# KiCad board Partial_Drawer_Controller_v1_hotfix.kicad_pcb (continued)
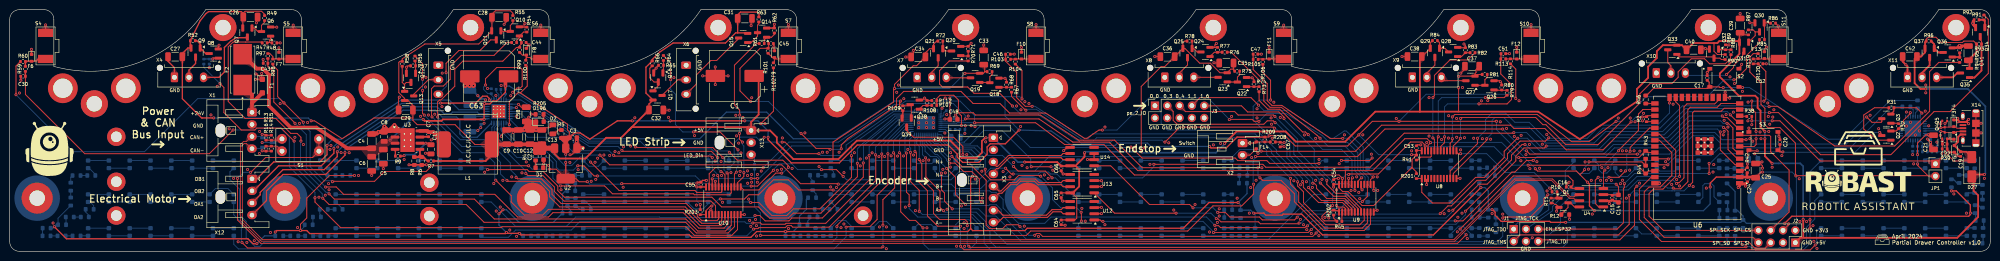
[diagram p0: board, top side]
## Routing (per net, layer and track width the routed paths; a pad name or vN(x,y) marks a point on that pad's centre or on a via; arc(x,y) is an arc through that point)
+3V3: length 803.7
  Top w0.18: R41.1 290.3,20.86 C53.1 291.33,20.87 U8.24 ; R41.1 289.4,19.01 289.4,17.4 289.2,17.2 ; R41.1 290.21,20 v1(289.3,20) ; 324.05,15.85 323.3,16.6 315.32,16.6 v1(314.83,17.09) ; 324.05,15.85 v1(325.6,14.3) ; 324.05,15.85 325,16.8 v1(325,16.9) ; JP1.2 395.94,15.56 395.85,15.65 ; 105.39,32.79 106.8,34.2 106.8,38.19 R100.1 106.5,38.49 ; 105.39,32.79 105.8,32.5 115.1,26.3 115.1,25.1 115.5,24.7 C3.1 ; 105.39,32.79 104.88,32.79 103.1,31.02 v1(103.1,26.2) ; R43.1 R44.1 336.82,18.5 v1(325.9,18.5) ; v1(66.6,14.4) 66.69,14.49 75.29,14.49 77.31,16.51 85.91,16.51 87.1,17.7 v1(107.1,17.7) ; v1(142.5,9.7) R203.1 ; v1(393.7,20) 393.7,22.4 395.41,24.11 v1(395.91,24.11) ; v1(331.5,13.89) 332,13.39 C14.1 330.8,11.67 C15.2 330.55,11.73 U4.3 ; 1.3,32.6 v1(1.3,32.4) 1.3,38.34 R60.1 ; v1(111.4,17) 112.78,17 U2.2 116.87,15.03 117.5,14.4 v1(119.2,14.4) ; R114.1 310.8,37.7 v1(310.8,31.6) ; 194.05,27.1 193.76,27.39 v1(192.99,27.39) ; C48.1 194.03,31.69 v1(194,31.71) 193.99,31.7 ; v1(393.7,18.1) 393.7,17.8 395.85,15.65 ; R120.1 359.8,40.9 359.1,40.2 359.1,37.1 361.4,34.8 361.4,30.4 362.2,29.6 362.2,26.2 362.8,25.6 365.3,25.6 368.5,22.4 368.5,15.7 v1(368.6,15.6) 368.65,15.65 395.85,15.65 ; v1(260.2,31.3) 260.2,35.4 258.6,37 R106.1 ; 142.5,13.22 C55.1 v1(141.8,13.32) 141.59,13.53 141.56,13.53 141.09,14 v1(126.3,14) ; 289.2,17.2 289.35,17.35 290.29,16.41 R201.1 ; 289.2,17.2 281.5,9.5 279.07,9.5 276.19,12.38 275.06,12.38 274.32,13.11 U9.24 274.31,13.86 C54.1 273.2,13.85 v1(273.2,13.3) ; v1(273,9.49) 270.8,7.29 270.8,6.81 271.3,6.31 273.78,6.31 R45.1 273.21,6.88 R202.1 ; 299,26.9 v1(286.7,26.9) 281.2,26.9 v1(278.4,24.1) 276.1,21.8 265.3,21.8 263.1,24 260,24 v1(259.9,23.9) 259.9,23.8 259.75,23.65 R209.1 ; R98.1 54.3,38.5 55.3,37.5 55.3,32 v1(56.6,30.7) ; v1(56.6,30.7) 56.3,31 ; v1(56.6,30.7) v1(60.6,26.7) ; R104.1 208.9,37.38 v1(208.9,31.52) ; v1(306.81,26.91) 306.79,26.9 298.8,26.9 ; v1(155,26.4) 157.6,29 R102.1 ; 360.2,15.23 361.38,16.4 v1(361.7,16.4)
  Top w0.25: v1(247.6,21.7) 247.9,21.4 251.05,21.4 253.3,23.65 R209.1 ; v1(114.75,18.39) U2.2 ; v1(114.75,20.08) U2.2 ; v1(128.5,27) 125.4,27 119.7,23.2 117.7,24.5 116.5,24.5 C3.1 ; v1(325.6,14.3) 326,13.9 326,9.4 v1(327,8.4) ; U10.24 143.69,13.32 C55.1 ; v1(156.5,23.6) 156.5,23.1 161.3,18.3 171.2,18.3 174.9,22 193.65,22 195.53,20.12 195.53,19.51 196.64,18.4 200,18.4 201.7,20.1 201.7,21.6 202.35,22.25 205.45,22.25 v1(208.3,25.1) ; U6.2 352.16,15.36 350.91,14.11 v1(350.91,13.3) ; v1(136.3,27) v1(151.7,27)
  Top w0.5: C21.1 396,24.02 v1(395.91,24.11) ; 360.2,15.23 360.06,15.36 U6.2 ; C24.1 358.5,15.45 358.5,16.19
  Top w0.75: 114.75,22.57 R5.1 113.92,23.52 C3.1 114.75,22.77 U2.2 114.75,22.57
  Bottom w0.18: 395.7,24.1 395.5,24.3 395.5,24.4 U5.6 ; 395.7,24.1 395.71,24.11 v1(395.91,24.11) C18.1 ; 395.7,24.1 395.6,24.1 ; 395.7,24.1 395.5,23.9 U5.7 ; v1(111.4,17) 107.8,17 v1(107.1,17.7) 107.1,17.6 ; v1(60.6,26.7) 60.6,26.2 62,24.8 62,17.5 64.9,14.6 66.4,14.6 v1(66.6,14.4) ; v1(142.5,9.7) 141.8,10.4 v1(141.8,13.32) ; v1(126.3,14) 126.2,13.9 119.7,13.9 v1(119.2,14.4) ; v1(361.7,16.4) 367.8,16.4 v1(368.6,15.6) 368.7,15.5 368.7,4.56 J2.2 ; 395.2,24.1 U5.7 ; 395.2,24.1 U5.6 ; 395.2,24.1 395.3,24.2 395.4,24.2 ; U5.7 395.4,24.1 395.6,24.1 ; U5.6 395.4,24.2 ; v1(192.99,27.39) 192.8,27.2 U7.40 ; v1(192.99,27.39) 193,27.4 C49.2 194.1,27.6 194.1,28.36 194.32,28.58 R1.1 194.21,29.21 ; v1(192.99,27.39) 192.99,27.33 192.86,27.19 ; v1(331.5,13.89) 331.34,14.05 325.85,14.05 v1(325.6,14.3) ; v1(1.3,32.4) 13.09,20.61 27.81,20.61 38.79,31.59 55.71,31.59 v1(56.6,30.7) ; v1(314.83,17.09) 314.83,17.17 306.81,25.19 v1(306.81,26.91) ; U11.15 102.73,26.57 103.1,26.2 v1(103.1,26.2) 103.1,25.9 102.83,25.63 C60.1 ; v1(273,9.49) 273,12 273.2,12.2 v1(273.2,13.3) ; v1(310.8,31.6) 309.9,32.5 292.3,32.5 v1(286.7,26.9) ; v1(194,31.71) 194.29,32 208.43,32 v1(208.9,31.52) ; v1(278.4,24.1) 282.5,20 v1(289.3,20) ; 395.6,24.1 395.5,24.1 395.4,24.2 ; v1(325,16.9) 325,17.3 325.9,18.2 v1(325.9,18.5) ; v1(393.7,18.1) v1(393.7,20) R37.2 ; v1(259.9,23.9) 256.6,27.2 256.6,30 257.9,31.3 v1(260.2,31.3) ; 205.4,32 205.4,28 v1(208.3,25.1)
  Bottom w0.25: v1(350.91,13.3) 350.91,9.81 349.5,8.4 v1(327,8.4) ; v1(128.5,27) v1(136.3,27) ; v1(114.75,20.08) v1(114.75,18.39) ; v1(247.6,21.7) 235.5,21.7 234.8,22.4 228.6,22.4 228.12,21.91 219.19,21.91 214.9,24.9 v1(208.3,25.1) ; v1(156.5,23.6) 156.5,24.9 154.4,27 v1(151.7,27)
+5V: length 854
  Top w0.18: 83.2,27.6 C29.1 83.2,30.2 82.2,31.2 Q13.2 81.5,31.63 80.3,32.83 80.3,39.1 80.51,39.31 R58.1 81,39.8 81.1,39.9 85.64,42.86 85.68,42.9 96.8,42.9 99.47,45.57 Q11.2 99.52,45.68 C28.1 99.52,49.04 100.24,49.77 103.34,49.77 103.84,49.27 R55.1 ; 83.2,27.6 83.2,27.1 84.1,26.2 91.9,26.2 95.98,22.12 L1.2 ; 83.2,27.6 75.2,27.6 68.6,23.3 62.9,27 v1(62.2,27) ; 201.25,37.15 201.28,37.17 R69.1 ; 201.25,37.15 200.95,36.85 Q19.2 197.15,36.85 v1(197.1,36.8) ; 201.25,37.15 201.2,37.2 201.2,38.42 C33.1 ; 242.96,43.5 242.5,43.5 242.1,43.1 Q25.2 ; v1(299,33.9) 299,29 298.9,28.9 ; Q7.2 48.1,48.37 C26.1 ; R90.1 352.39,40.71 351.7,41.4 351.7,43.1 ; R96.1 395.49,43.89 395.9,44.3 397.5,44.3 398.6,43.2 402.96,43.2 403.26,43.5 405.29,43.5 R93.1 ; 169.9,19.1 169.9,22.6 170.8,23.2 182.4,30.9 182.4,33.5 v1(182.6,33.7) 182.6,34.55 186.45,38.4 187.15,38.4 C34.1 188.97,41.08 189.82,41.92 Q21.2 190.65,42.85 191.3,43.5 R72.1 ; Q25.2 242.54,41.96 245.57,38.94 247.76,38.94 249.75,36.95 Q23.2 252,37.7 252.5,37.7 ; Q25.2 242.09,41.96 C36.1 238.32,38.2 237.6,38.2 233.5,34.1 v1(233.5,20.6) ; C26.1 48.21,49.19 ; C26.1 48.21,49.31 48.57,49.67 51.98,49.67 52.61,49.04 R49.1 ; C37.1 302.6,37.65 302.6,37 302.38,36.77 302.38,36.6 ; 252.5,37.7 252.5,37.56 R75.1 ; 252.5,37.7 252.55,37.75 C35.1 ; C38.1 291.45,40.3 Q29.2 293.15,43.15 R84.1 ; 356.65,43.58 Q31.2 356.95,45.08 C39.1 357.54,44.79 R87.1 ; C64.1 217.01,6.5 U12.8 219.82,6.5 220.2,6.88 220.2,11.1 219.2,12.1 U13.8 216.99,12.1 C65.1 ; v1(299,36.2) 299.05,36.25 Q27.2 302.38,36.6 ; 302.38,36.6 R81.1
  Top w0.25: 150.22,45.2 149.8,45.2 147.7,43.1 136.9,43.1 134.1,41.2 132.6,39.7 R66.1 131.3,38.1 131.3,32.75 Q17.2 131.93,30.48 C32.1 ; 150.22,45.2 152.19,45.2 Q15.2 ; 150.22,45.2 C31.1 150.22,48.91 150.8,49.49 154.3,49.49 154.6,49.19 R63.1 ; 48.1,48.41 48.21,48.52 ; 48.21,49.19 47.8,49.6 41.05,49.6 40.5,49.2 39.3,47.7 R52.1 37.27,42.2 Q9.2 36.76,42.06 35.63,40.93 C27.1 35.63,31.57 39.6,27.6 v1(42.1,27.6) 42.2,27.6
  Top w0.35: C38.1 291,39.9 291,28.9 ; 291,28.9 281.8,28.9 275.6,22.7 265.4,22.7 263.3,24.8 253.18,24.8 v1(250.7,22.33) ; 291,28.9 315.4,28.9 324,23.2 335.8,31 335.8,33.6 338.1,35.9 338.1,38.2 339.9,40 339.9,41.4 341.15,42.65 Q33.2 345.07,42.65 C40.1 347.43,43.1 352.4,43.1 352.8,43.5 356.73,43.5 Q31.2 356.95,40.85 352.9,36.8 352.9,36.1 356.8,32.2 360.2,32.2 360.7,31.7 360.7,29.7 361.3,29.1 361.3,25.7 v1(362.2,24.8) ; 370.12,6.58 370.12,2.98 ; 370.12,6.58 v1(370.1,6.6) ; 370.12,6.58 370.12,6.38 ; R7.1 88.68,18.69 88.69,18.7 98.21,18.7 98.21,18.71 99.5,20 L1.2 ; C1.1 154.55,35.38 154.55,28.3 153,26.75 X13.1 ; 218.78,17.65 C66.1 216.16,18.47 v1(209.45,18.47) ; v1(221.8,20.4) 221.8,19.56 219.93,17.7 ; X13.1 152.3,25.7 128.38,25.7 127.74,25.06 ; X13.1 156.9,25 158.3,23.6 158.3,22.5 161.7,19.1 171.03,19.1 174.83,22.9 194.1,22.9 196.03,20.98 196.03,19.72 196.42,19.33 199.53,19.33 200.62,20.42 200.62,22.83 201.3,23.5 v1(201.45,23.5) ; R93.1 405.89,41.9 405.9,41.89 405.9,41.23 C41.1 404.44,39.29 Q35.2 ; C32.1 127.74,25.06 ; 127.74,25.06 126.18,23.5 123.1,23.5 118.8,19.2 113.4,19.2 112.45,20.15 U2.3 ; v1(395.4,33.6) 394.3,33.6 393.1,34.8 393.1,39.83 C42.1 394.4,40.3 395.25,41.15 Q37.2 395.25,43.25 395.49,43.49 R96.1 ; 219.93,17.7 220.7,16.92 220.7,13.42 219.38,12.1 U13.8 ; 219.93,17.7 218.82,17.7 ; 405.99,42.91 405.9,42.91 ; J2.1 369.48,2.8 401.9,2.8 406.2,7.1 406.2,11.6 405.27,12.52 405.27,15.12 D27.1 405.3,15.9 v1(407.5,15.9) ; v1(363.7,18.2) 362.2,19.7 v1(362.2,23.3)
  Top w0.75: L1.2 109.75,22.12 C13.1
  Top w1: U2.3 110.63,21.33 C13.1 ; 109.21,21.59 108.52,20.9 R4.1 ; 109.21,21.59 C13.1 ; 109.21,21.59 109.6,21.2 109.6,20.48 ; C13.1 110.18,21.79 C2.1 109.6,20.48 ; R4.1 108.52,22.1 108.5,22.12 ; R4.1 108.54,20.48 109.6,20.48
  Bottom w0.18: v1(182.6,33.7) 194,33.7 v1(197.1,36.8) ; v1(299,36.2) v1(299,33.9)
  Bottom w0.25: v1(62.2,27) 61.62,27.58 42.12,27.58 v1(42.1,27.6)
  Bottom w0.35: v1(250.7,22.33) 250.7,22.2 248.9,20.4 233.7,20.4 v1(233.5,20.6) 222,20.6 v1(221.8,20.4) ; v1(363.7,18.2) 369.5,18.2 370.1,17.6 v1(370.1,6.6) ; v1(201.45,23.5) X3.1 208.03,18.47 v1(209.45,18.47) ; v1(362.2,24.8) v1(362.2,23.3) ; v1(395.4,33.6) 404.1,33.6 407.7,30 407.7,16.1 v1(407.5,15.9)
+24V: length 171
  Top w0.25: v1(183.86,31.1) 183.66,30.89 183.66,29.73 R109.1 184.3,27.73 Q39.2 ; 102.33,34.2 v1(102.3,34.2) 102.3,32.9 100.5,31.1 99.7,31.1 99.1,30.5 98.05,30.5 v1(97.98,30.57) 97.9,30.5 v1(97.9,27.3)
  Top w0.35: v1(85.32,27.3) 85.62,27 89.1,27 89.4,27.3 v1(97.9,27.3)
  Top w0.75: C4.1 69.7,21.3 63.3,25.6 58,25.6 53.5,30.1 53.5,36.54 52.24,37.8 50.95,37.8 48.07,40.68 ; 102.3,35.5 v1(102.3,34.2) ; 73.8,21.3 73.91,21.41 75,21.41
  Bottom w0.25: v1(183.86,31.1) 182.6,31.1 170.7,23.3 161.7,23.3 156.2,28.8 147.9,28.8 142.4,23.3 119.6,23.3 103.1,34.2 v1(102.3,34.2) 102.3,33.52
  Bottom w0.35: v1(85.32,27.3) 85.28,27.26 82.76,27.26 v1(78.5,23) ; U11.22 97.45,27.45 C61.1 ; C62.1 97.4,30.45 U11.28
/Power Stage/VCC: length 8.8
  Top w0.18: C11.1 86.61,22.38 v1(85.88,22.38) U3.6
  Top w0.25: R9.1 81.3,19.7 v1(81.4,19.8)
  Bottom w0.35: v1(85.88,22.38) 83.5,20 81.6,20 v1(81.4,19.8)
GND: length 314
  Top w0.153: v1(398.5,26.4) 398.5,26.69 Q5.2
  Top w0.18: U8.3 292.4,14.77 292.4,14.1 ; U9.21 276.3,13.88 v1(276.3,15.1) ; v1(359.1,47.3) 359.12,47.27 Q30.2 ; C40.2 349.27,42 v1(349.9,42) 350.06,41.84 Q32.2 ; 292.4,14.1 v1(292.4,13.8) ; 292.4,14.1 292.4,14.73 U8.2 ; v1(274.2,15.09) 273.47,15.09 C54.2 273.19,14.8 ; 82.74,38.38 82.18,38.38 v1(81.9,38.1) 81.9,36.86 Q12.2 ; v1(358.9,25.5) S3.1 ; S5.2 58.5,45.21 v1(58.5,46.8) ; v1(362.55,42.25) 362.1,41.8 F13.1 ; U13.3 223.84,14.6 v1(225.3,14.6) ; C9.2 101.45,24.02 v1(101.45,23.78) ; D2.1 111.5,25.6 110.27,25.6 C13.2 ; X14.6 X14.6 ; C53.2 290.48,22.03 v1(291.2,22.03) ; S11.2 365,45.23 v1(365,46.6) R86.2 ; S8.2 211.8,45.24 v1(211.8,46.9) ; C20.1 365.3,23.6 v1(365.1,23.8) 365.1,24.5 S3.1 ; v1(52,36.8) 52,35.72 F1.1 ; v1(236.3,40.3) 237.43,40.3 C36.2 ; 281.48,8.12 281.85,8.5 v1(282.2,8.5) ; v1(262.9,46.8) 262.9,45.25 S9.2 ; R65.2 133.4,38 v1(133.4,37.9) 132.9,37.4 Q16.2 ; v1(395.76,23.23) 395.76,23.14 v1(396.4,22.5) ; v1(50.8,36.7) 51.02,36.7 F1.1 ; v1(299.44,36.87) 300.3,37.72 C37.2 ; 153.18,48.19 153,48.02 v1(153,46.69) ; U13.2 223.83,13.4 v1(225.3,13.4) ; 86.93,20.16 86.79,20.3 v1(85.8,20.3) ; F8.1 106.62,42.12 v1(107.2,42.7) 107.07,42.7 C44.2 ; v1(157.7,42.3) 157.7,42.88 C45.2 ; v1(198.4,43.05) 197.8,42.45 R71.2 197.78,42.4 Q20.2 ; S6.2 109.6,45.22 v1(109.6,46.8) ; v1(107.12,27.76) 107.06,27.76 106.62,27.32 C58.2 ; v1(321.9,6.62) 321.82,6.7 R12.1 ; Q22.2 255.3,35.9 v1(256.4,35.9) 256.77,35.52 R74.2 ; X2.2 255.91,19.9 F14.1 257.24,20.64 v1(257.61,20.27) ; Q24.2 248.7,42.2 ; 248.7,42.2 R77.2 ; 248.7,42.2 248.7,42.7 v1(249,43) ; v1(50.7,35.6) 52.12,35.6 F1.1 ; v1(195.2,28.2) 195.57,27.83 C48.2 ; v1(259.9,42.15) F11.1 ; v1(357.4,38.7) 357.4,38.48 356.7,37.77 ; v1(309.5,40.9) C51.2 ; R108.2 189.3,31.3 ; R108.2 v1(188.8,31.71) 188.39,31.3 Q38.2 ; R108.2 189.31,31.2 R112.1 ; C64.2 217.09,5.4 v1(217.8,5.4) ; v1(354,32.95) 354,31.88 U6.15 354.8,31.85 v1(354.95,31.7) ; v1(201,42.7) C33.2 ; 218.82,21.5 218.82,21.51 218.17,21.51 v1(217.5,20.84) ; v1(208.8,42.2) F10.1 ; U4.2 329.54,10.47 ; 350.7,37.77 350.7,37.4 v1(350.3,37) C17.1 ; v1(354.8,42.7) 354.02,42.7 354,42.72 ; C26.2 50.91,48.23 v1(50.91,47.28) ; U10.2 144.35,8.25 v1(144.7,8.6) 145,8.3 U10.3 ; v1(186.5,41.6) 186.5,40.7 C34.2 186,40.2 v1(184.9,40.2) ; v1(357.1,49.2) C39.2 ; v1(362.5,38.8) C52.2 ; C5.2 v1(77.1,17.1) ; C6.2 v1(74.7,15.7) ; C65.2 216.98,10.72 v1(217.3,10.4) 218.76,10.4 U12.5 ; Q18.2 204.18,35.8 v1(205.4,35.8) 205.7,35.5 R68.2 ; v1(273.8,9.5) 274.1,9.2 274.1,9.15 275.33,9.15 275.62,8.86 U9.3 ; v1(115.61,19.98) 115.98,19.98 117.05,21.05 U2.1 ; R54.2 106.14,46.39 ; 106.14,46.39 106.14,46.97 v1(106.34,47.16) ; 106.14,46.39 105.24,46.39 Q10.2 ; v1(361.6,18.5) 360.52,18.5 360.2,18.17 361.23,18.17 361.7,17.7 v1(361.7,17.2) ; v1(52.3,39.7) 52.3,38.92 C43.2 ; v1(406.8,26.5) 405.77,26.5 X14.6 X14.6 405.77,24.5 v1(406.8,24.5) ; v1(160.7,46.9) 160.7,45.23 S7.2 ; v1(143,36.3) v1(148.25,36.3) ; R11.2 318.51,9.99 318.8,9.7 319.1,9.7 Q1.2 319.2,8.6 v1(319.2,8.3) ; C66.2 216.98,16.42 v1(217.4,16) 218.76,16 U13.5 ; v1(225.3,7.8) 223.83,7.8 U12.2 ; C29.2 80.25,31.75 v1(80.4,31.9) ; J2.4 367.1,5.5 v1(367.1,5.7) ; C35.2 248.56,38.98 v1(248.52,39.02) ; U12.3 223.86,9.1 v1(225.3,9.1) ; v1(262.98,21.68) 262.26,21.68 262.19,21.61 ; v1(145.6,38.15) v1(145.6,34.5) ; Q26.2 307.4,35.3 v1(307.6,35.1) 307.9,34.8 R80.2 ; C32.2 134.93,29.2 v1(136.1,29.2) ; v1(55.11,46.38) 53.89,46.38 Q6.2 ; v1(287.3,40.3) C38.2 ; v1(258.3,40.8) C47.2 ; U8.12 298.57,15.1 v1(299.3,15.1) ; Q28.2 298.88,42.12 R83.2 300.4,42.6 v1(300.1,42.9) ; 223.1,20.23 U14.3 U14.2 223.74,19 v1(222.4,19) ; v1(311,42.2) F12.1 ; U10.21 145.6,13.38 v1(145.6,14.5) ; S10.2 313.94,46.89 v1(313.95,46.9) ; 358.5,14.24 358.35,14.09 U6.1 ; v1(55.55,42.1) 55.56,42.09 F7.1 ; C46.2 206.5,40.8 v1(207.3,40.8) ; v1(55.83,43.12) R48.2 ; v1(102.04,46.97) 102.04,47.06 102.47,47.49 C28.2 ; F9.1 157.8,42.2 ; 156.21,46.2 Q14.2 157.4,46.19 157.8,46.59 v1(157.8,46.99) R62.2 156.21,46.2
  Top w0.25: C2.2 110.18,17.37 D1.1 ; v1(151.6,7.6) U10.12 ; v1(4.5,41.8) 4.5,40.74 F6.1 ; Q8.2 43.04,42.49 v1(43.2,42.65) ; v1(2.3,35.4) 2.3,36.2 C30.2 ; v1(103.9,24.6) 103.9,25.12 ; v1(141.8,14.12) 141.82,14.12 142,14.3 142.02,14.28 C55.2 143,14.68 v1(143.76,14.68) ; v1(7.4,46.85) S4.2 ; X4.1 34,38 32.68,39.32 C27.2 ; C16.2 321.22,13.72 v1(321.8,14.3) ; F3.1 399.91,23.2 Q4.2 C22.2 399.8,21.21 R39.2 399.81,20.99 v1(400.3,20.5) F5.1 402.16,19.64 C19.2
  Top w0.35: v1(402,27.5) 402,27.2 402.43,26.77 X14.5 ; v1(402.4,42.6) 402.52,42.48 403.07,42.48 ; v1(402.4,42.6) 402.6,42.6 402.9,42.3 ; v1(402.4,42.6) 402.2,42.6 401.7,42.1 ; v1(402.4,42.6) 404.07,42.6 C41.2 403.07,42.48 ; v1(402.4,42.6) R95.2 ; X14.5 403.88,26.77 v1(404.24,26.41) ; X14.5 402.02,26.77 v1(402,26.8) 401.6,27.2 F4.1 ; X14.5 403.72,26.77 v1(404.24,27.3) ; 401.7,42.1 R95.2 ; 401.7,42.1 Q36.2 ; R95.2 402.7,42.1 402.9,42.3 ; 403.07,42.48 402.9,42.3 ; 330.1,10.47 U4.2 ; 330.1,10.47 330.55,10.47 C15.1 330.88,10.62 331.1,10.4 331.5,10.4 331.77,10.12 C14.2 ; 330.1,10.47 v1(330.1,9.9) ; 218.87,15.92 U13.5 ; C42.2 390.62,39.27 391.63,38.27 X11.1 ; v1(82.4,17.9) v1(86,17.9) ; 405.09,47.62 R92.2 405.37,46.62 Q34.2 405.09,46.9 v1(405.09,47.2) 405.09,47.62
  Top w0.5: 358.2,13.94 358.5,14.24 ; 358.2,13.94 357.15,13.94 U6.1 357,13.5 v1(356.7,13.2) ; 358.2,13.94 357.9,13.94 ; 358.2,13.94 v1(358.2,13.5) ; 397,21.08 396.4,21.67 v1(396.4,22.5)
  Top w0.75: 106.62,25.88 C12.2 ; 106.62,25.88 106,25.26 106,25.12 ; 106.62,25.88 C58.2 ; 106,25.12 C9.2 ; 106,25.12 108.6,25.12 ; v1(77.31,25.8) 78.2,24.91 ; v1(77.31,25.8) 77.31,25.47 76.5,24.66 ; v1(77.31,25.8) 77.31,24.69 C8.2 ; 78.2,24.91 78.5,24.91 ; 78.2,24.91 77.54,24.91 C8.2 ; v1(79.4,26.1) 78.5,25.2 78.5,24.91 ; v1(79.4,26.1) 79.4,26.02 80.5,24.91 ; v1(79.4,26.1) 79.4,25.05 U3.1 ; 76.5,24.66 76.14,24.66 v1(76.1,24.7) 75.76,24.36 75,24.36 ; 76.5,24.66 C8.2 ; U3.1 78.5,24.91 ; U3.1 80.5,24.91 ; 75,24.5 75,24.36 ; 75,24.36 74.36,24.36 ; 107.49,25.99 107.89,25.6 108.63,25.6 ; 107.49,25.99 107.8,25.99 107.95,26.15 ; 107.49,25.99 C58.2 ; v1(340.4,14.1) 339.51,14.1 U6.38 ; C58.2 107.34,26.15 107.95,26.15 ; C58.2 106.67,26.82 D196.1 ; 80.5,24.91 81.31,24.91 81.5,25.1 82.09,24.51 U3.9 ; 107.95,26.15 D196.1 ; D196.1 108.63,25.6 ; 108.6,25.12 C13.2 ; 108.6,25.12 v1(108.63,25.15) 108.63,25.6 ; C3.2 117.05,21.34 U2.1 117.11,21.4 v1(118.3,21.4)
  Top w1: v1(94,34.3) 94,34.87 94.63,35.5 ; v1(95.7,34.3) 95.7,34.43 94.63,35.5 ; 94.63,35.5 94.63,34.57 v1(94.9,34.3)
  Bottom w0.18: v1(392.7,20) R40.2 ; v1(360.08,20.19) 360.11,20.19 360.75,19.55 C23.2 361.25,18.5 v1(361.6,18.5) ; v1(192.98,24.48) 192.67,24.8 U7.46 ; C49.1 194.86,27.86 v1(195.2,28.2) ; C18.2 396.32,23.23 v1(395.76,23.23) ; 195.8,23.6 196.3,23.6 v1(197.1,24.4) 197.12,24.42 R111.2 197.2,25.28 v1(197.2,26) ; U7.37 192.2,28.54 192.2,29.4 v1(192.4,29.6) ; v1(52.1,22.5) 54.48,22.5 ; U11.3 100.44,32.13 v1(100.33,32.24) ; v1(396.01,25.98) 395.93,25.9 U5.3 ; J1.4 313.46,2.06 v1(314.2,2.8) ; U11.13 104.55,27.95 v1(104.6,27.9) ; v1(98.6,33.7) 99.33,33.7 R204.2 ; v1(397.7,22.6) 397.7,21.72 R36.2 ; U11.18 100.94,25.94 100.58,25.58 C56.2 100.58,24.82 101.45,23.95 v1(101.45,23.78)
  Bottom w0.25: C60.2 103.8,24.7 v1(103.9,24.6) ; 41.47,38.03 41.44,38 v1(41.2,38) R51.2
  Bottom w0.35: 103.56,29.7 U11.10 ; 103.56,29.7 103.56,29.7 U11.9 ; 103.56,29.7 104.52,29.7 v1(104.56,29.73) ; v1(98.2,31.34) 98.06,31.34 97.84,31.56 C62.2 97.24,31.56 v1(96.6,32.2) 95.85,32.95 94.96,32.95 ; 94.96,24.95 96.55,24.95 v1(96.6,25) v1(97.2,25.6) 97.25,25.65 97.25,26.28 97.68,26.28 v1(97.9,26.5)
  Bottom w0.5: C18.2 v1(396.4,22.5)
  Bottom w1: v1(94.9,34.3) 94.9,33.22 R207.2 ; 95.7,33.69 v1(95.7,34.3) v1(94,34.3) 94,33.91
  vias: v1(2.02,32.76) v1(8.95,5.86) v1(41.53,28.23) v1(42.83,34.13) v1(45.3,25.35) v1(46.2,15.1) v1(47.15,1.98) v1(48.94,1.84) v1(49.1,16.94) v1(50.47,2.2) v1(51.53,20.23) v1(51.58,24.81) v1(53.8,3.9) v1(55.81,30.57) v1(58.84,23.59) v1(59.41,4.92) v1(59.8,26.48) v1(60.6,22.1) v1(61.47,26.66) v1(63.82,11.2) v1(65.12,11.61) v1(65.8,14) v1(65.9,12.73) v1(66.1,21.1) v1(66.3,21.9) v1(67.7,21.59) v1(68.39,20.42) v1(70.05,20.41) v1(71.98,15.69) v1(81.4,19) v1(84.8,27.94) v1(85.79,34) v1(85.9,36) v1(86.4,28.2) v1(86.99,23.05) v1(87.72,28.37) v1(89.21,29.94) v1(89.25,36.88) v1(98.01,16.36) v1(99.9,14.03) v1(100.4,8.33) v1(101.23,9.17) v1(101.42,34.31) v1(101.77,14.69) v1(103.2,4.4) v1(103.4,32.2) v1(103.6,15.4) v1(104.6,3.1) v1(105.71,16.23) v1(106.2,25.15) v1(106.6,18.5) v1(107.8,26.1) v1(110.2,18.1) v1(111.18,17.77) v1(113.78,12.74) v1(115.6,18.39) v1(117,22.7) v1(117.3,16.9) v1(120,14.49) v1(120.79,18.43) v1(120.94,14.88) v1(121.32,19.27) v1(122.62,19.92) v1(123.82,19.83) v1(124.91,20.63) v1(125.7,20.4) v1(126.6,13.26) v1(126.66,21.62) v1(128.13,21.78) v1(129,27.62) v1(135.95,27.72) v1(137.06,35.95) v1(141.32,23.93) v1(141.71,9.57) v1(145.29,15.74) v1(145.57,18.69) v1(146.8,18.6) v1(146.9,15.7) v1(147.09,10.16) v1(148.83,16.29) v1(149.84,28.15) v1(149.99,23.88) v1(150.43,22.39) v1(150.6,15.7) v1(150.74,16.55) v1(150.91,20.35) v1(151.3,27.7) v1(152.25,16.65) v1(152.26,15.69) v1(152.29,14.09) v1(152.5,10.8) v1(152.7,6.4) v1(152.93,5.17) v1(153.12,31.77) v1(153.11,15.89) v1(153.1,14.3) v1(153.91,6.61) v1(154.1,5.31) v1(154.11,3.17) v1(154.3,15.9) v1(154.29,14.3) v1(155.09,16.61) v1(155.7,23.6) v1(155.86,26.42) v1(158.4,16.78) v1(159.28,16.99) v1(159.45,23.45) v1(160.7,4.72) v1(161.46,17.15) v1(164.1,24.5) v1(167.02,17.54) v1(167.74,20.51) v1(168.7,20.5) v1(169.42,13.31) v1(170.6,13.2) v1(171.16,20.51) v1(171.55,4.9) v1(172.15,5.66) v1(172.16,16.28) v1(174.3,20.4) v1(175.51,19.1) v1(175.51,17.67) v1(176.79,19.3) v1(177.97,20.37) v1(179.37,19.6) v1(179.48,5.04) v1(180.55,19.61) v1(180.92,5.04) v1(180.9,0.55) v1(181.89,19.75) v1(183.04,32.9) v1(183.22,19.71) v1(183.4,34.4) v1(184.5,31.58) v1(184.47,19.73) v1(184.82,9.15) v1(185.34,21.09) v1(186.51,19.92) v1(186.9,8.41) v1(187.6,27.6) v1(187.6,26.6) v1(187.6,25.6) v1(188.47,18.75) v1(189.2,27.6) v1(189.2,26.6) v1(189.2,25.6) v1(189.28,4.86) v1(189.66,18.88) v1(190.6,27.6) v1(190.6,26.6) v1(190.6,25.6) v1(191.7,8.42) v1(192.57,16.97) v1(193.05,31.71) v1(193.07,16.24) v1(193.37,28.28) v1(193.44,8.72) v1(193.9,19.05) v1(194.1,17.42) v1(194.17,20.41) v1(195.4,1.06) v1(196.4,9.4) v1(196.95,4.72) v1(196.96,5.91) v1(197.05,1.05) v1(197.5,20) v1(197.79,27.99) v1(198.4,26) v1(199.2,25.8) v1(199.25,14.95) v1(200.61,16.59) v1(200.69,11.01) v1(201.4,22.65) v1(205,16.5) v1(206.4,15.4) v1(207.17,18.37) v1(207.77,30.07) v1(208.61,25.84) v1(208.68,29.28) v1(208.9,17.79) v1(209.37,5.21) v1(209.49,30.96) v1(209.95,17.3) v1(210.33,30.59) v1(212.3,3.1) v1(213.52,15.81) v1(214.3,15.1) v1(215.26,16.78) v1(221.26,8.88) v1(221.95,6.25) v1(226.02,25.71) v1(226.01,5.51) v1(232.26,21.58) v1(234.09,21.4) v1(235.3,18) v1(239.19,22.46) v1(240.22,8.54) v1(244.61,9.69) v1(247.6,4) v1(248.4,22.02) v1(248.84,4.57) v1(249.21,5.99) v1(249.6,8.8) v1(249.6,7.3) v1(249.87,22.33) v1(252.15,27.91) v1(253.3,11) v1(255.81,7.9) v1(256.1,13.2) v1(256.3,19.4) v1(257.2,14.7) v1(257.4,29.5) v1(257.4,27.6) v1(258.4,17.29) v1(260.3,27.6) v1(260.4,26.3) v1(260.53,23.41) v1(260.87,30.86) v1(262.2,27.7) v1(265,14.6) v1(266.37,13.77) v1(266.35,6.61) v1(267,5.5) v1(267.17,24.08) v1(267.59,14.4) v1(267.67,4.49) v1(268.6,3.7) v1(268.82,13.22) v1(269.5,23.38) v1(269.5,14.7) v1(270.2,19.01) v1(270.17,3.23) v1(270.8,14.9) v1(271.41,7.03) v1(273.79,12.7) v1(274.36,18.13) v1(275.44,24.1) v1(276.8,12.6) v1(277.96,15.41) v1(278.4,12.2) v1(278.6,10.9) v1(279.23,24.1) v1(281,20.1) v1(282.2,15.4) v1(282.3,12.6) v1(286.13,27.49) v1(289.3,20.8) v1(292.43,22.53) v1(292.9,31.8) v1(292.9,23.85) v1(295.5,23.14) v1(296.02,7.78) v1(296.94,28.05) v1(296.91,23.43) v1(297.01,8.41) v1(298.58,27.49) v1(298.6,23.6) v1(298.74,4.04) v1(298.85,7.06) v1(299.4,21) v1(299.7,7.9) v1(299.8,33.9) v1(300.19,23.51) v1(300.78,2.67) v1(302.1,23.4) v1(303.7,31.12) v1(303.9,23.3) v1(305.02,31.19) v1(305.6,23.2) v1(305.91,7.83) v1(307.6,26.8) v1(308.1,7.7) v1(308.89,25.43) v1(310.49,23.77) v1(311.47,31.16) v1(311.85,18.74) v1(311.9,23.99) v1(312.9,20) v1(313.62,22.12) v1(313.7,17.1) v1(315.16,18.55) v1(315.69,17.19) v1(316.27,22.17) v1(317.19,24.18) v1(317.24,12.48) v1(325.1,18.49) v1(325.8,17) v1(326.37,14.69) v1(326.59,7.71) v1(328.3,14.7) v1(328.56,17.31) v1(329.5,14.7) v1(329.81,17.31) v1(330.51,14.69) v1(331.94,27.57) v1(332.4,14) v1(332.5,16.7) v1(332.8,20.8) v1(332.83,14.71) v1(333.6,20.8) v1(333.61,11) v1(334.3,16.8) v1(334.41,27.58) v1(335.2,20.8) v1(335.4,26.8) v1(336.33,14.1) v1(336.42,20.73) v1(336.94,27) v1(337.15,28.56) v1(341.4,17.31) v1(341.72,18.55) v1(342.97,13.84) v1(343.26,30.45) v1(343.99,14.86) v1(344.58,13.52) v1(347.4,13.4) v1(350.12,13.09) v1(351.5,16.4) v1(351.65,17.95) v1(353.6,24.1) v1(353.8,27.1) v1(353.79,24.83) v1(354.2,28.3) v1(354.58,25.71) v1(355,36.1) v1(355.7,28.8) v1(355.95,34.71) v1(357.5,1.44) v1(357.57,33.1) v1(358.73,30.88) v1(358.7,27) v1(359.1,23.3) v1(359.5,26.2) v1(359.7,22.8) v1(361.2,24.7) v1(361.4,23.3) v1(362.79,30.69) v1(362.9,27.9) v1(363,24.8) v1(363.2,26.3) v1(363.7,17.4) v1(363.83,27.79) v1(364.05,29.29) v1(365.7,19.8) v1(369.29,15.01) v1(369.42,6.18) v1(370.79,6.18) v1(372.13,5.32) v1(372.31,2.07) v1(372.95,0.6) v1(383.92,28.16) v1(385.68,25.37) v1(391.3,38.6) v1(391.41,28.81) v1(391.43,25.93) v1(392.25,26.72) v1(392.9,18.1) v1(393.26,24.08) v1(394.07,24.91) v1(395.29,29.01) v1(395.4,34.4) v1(395.4,32.8) v1(398.4,24) v1(400.4,23.3) v1(401.2,11.88) v1(401.8,19.9) v1(403.8,7.9) v1(407.5,15.1)
VBUS: length 16.2
  Top w0.18: v1(399.47,20.41) 401.18,18.7 404.1,18.7 D27.2
  Top w0.35: X14.1 402.6,24.17 402.1,23.67 402.1,22.7 F5.2 C19.1 403.8,20.6 D27.2
  Bottom w0.18: R33.1 399.28,20.6 v1(399.47,20.41)
VBUS_24V: length 9.4
  Top w0.75: 48.07,34.31 50,32.38 50,30.65 ; X1.1 50,30.65 ; 50,30.65 F1.2
/Ext_Switch_Sensing_Drawer_1/Switch: length 5.9
  Top w0.18: X2.1 257.01,22.4 257.24,22.63 R208.2
/LED_Control/8xLED_White/LED_VCC: length 543.8
  Top w0.18: v1(196.7,20) 196.7,21.7 194.8,23.6 186.5,23.6 185.1,25 Q39.3 ; v1(71.14,15.69) 71.13,15.68 65.98,15.68 61.3,11 61.3,6.9 60,5.6 v1(60,4.3) 61.3,4.3
  Top w0.25: v1(54.8,4) 55.1,4.3 61.3,4.3 61.92,3.67 102.28,3.67 v1(102.5,3.9) 102.67,3.72 105.17,3.72 v1(105.2,3.7) 105.5,3.4 140.26,3.4 140.76,2.9 152.96,2.9 154.16,4.1 v1(160.1,4.1) 197.7,4.1 198.3,4.7 ; v1(256.7,7.9) 258.8,7.9 259.23,7.48 262.58,7.48 262.81,7.7 266.6,7.7 270.9,3.4 293.8,3.4 v1(303.6,13.2) ; v1(9.2,5.1) 11.7,2.6 49.18,2.6 50.21,1.57 50.97,1.57 v1(51.03,1.63) ; v1(400.7,12.5) 401.7,12.5 404.6,9.6 v1(404.6,7.9) 404.6,7.6 404.26,7.26 367.76,7.26 v1(366.3,5.8) ; 198.3,4.7 198.72,4.28 209.49,4.28 209.97,4.78 242.18,4.78 247.5,10.1 v1(253.5,10.1) ; 198.3,4.7 198.3,15.13 v1(198.68,15.52) ; v1(100.97,7.77) v1(101.8,8.6) ; v1(305.9,8.62) 306,8.62 306.54,8.08 306.54,7.46 307.8,6.2 317.8,6.2 318,6 v1(321.1,6)
  Bottom w0.18: R17.1 9.98,6.85 12.6,9.48 ; v1(71.14,15.69) 71.12,15.71 R125.1 ; v1(256.7,7.9) 257,7.6 R153.1 ; R121.1 60.88,5.17 v1(60,4.3)
  Bottom w0.25: v1(102.5,3.9) 100.97,5.43 v1(100.97,7.77) ; R177.1 357.7,7.3 356.6,8.4 R181.1 356.05,12.41 R185.1 ; R177.1 357.2,6 v1(321.1,6) ; R177.1 358.4,5.8 v1(366.3,5.8) ; 306.73,8.6 R165.1 ; v1(51.03,1.63) 52.6,3.2 R25.1 v1(54.8,4) ; v1(256.7,7.9) 256.07,8.52 254,8.52 254,9.6 v1(253.5,10.1) 255.32,11.92 R161.1 ; 114.68,12.5 114.07,11.9 R133.1 112.15,5.97 105.12,5.97 102.5,8.6 v1(101.8,8.6) ; v1(404.6,7.9) 405.57,7.9 R193.1 405.7,7.77 R189.1 ; v1(105.2,3.7) 105.45,3.7 R129.1 ; R149.1 164.4,10.75 164.4,8.7 162.97,7.27 R145.1 162.97,5.39 161.68,4.1 v1(160.1,4.1) R141.1 ; v1(198.68,15.52) 198.68,17.62 196.7,19.6 v1(196.7,20) ; R115.1 8.9,4.8 v1(9.2,5.1) 9.6,5.5 R17.1 ; R173.1 303.35,14.03 303.35,13.45 v1(303.6,13.2) 304.4,13.2 305.12,12.48 R169.1 306.38,8.62 ; v1(400.7,12.5) R197.1
